# KiCad board scanhead_pcb.kicad_pcb (continued)
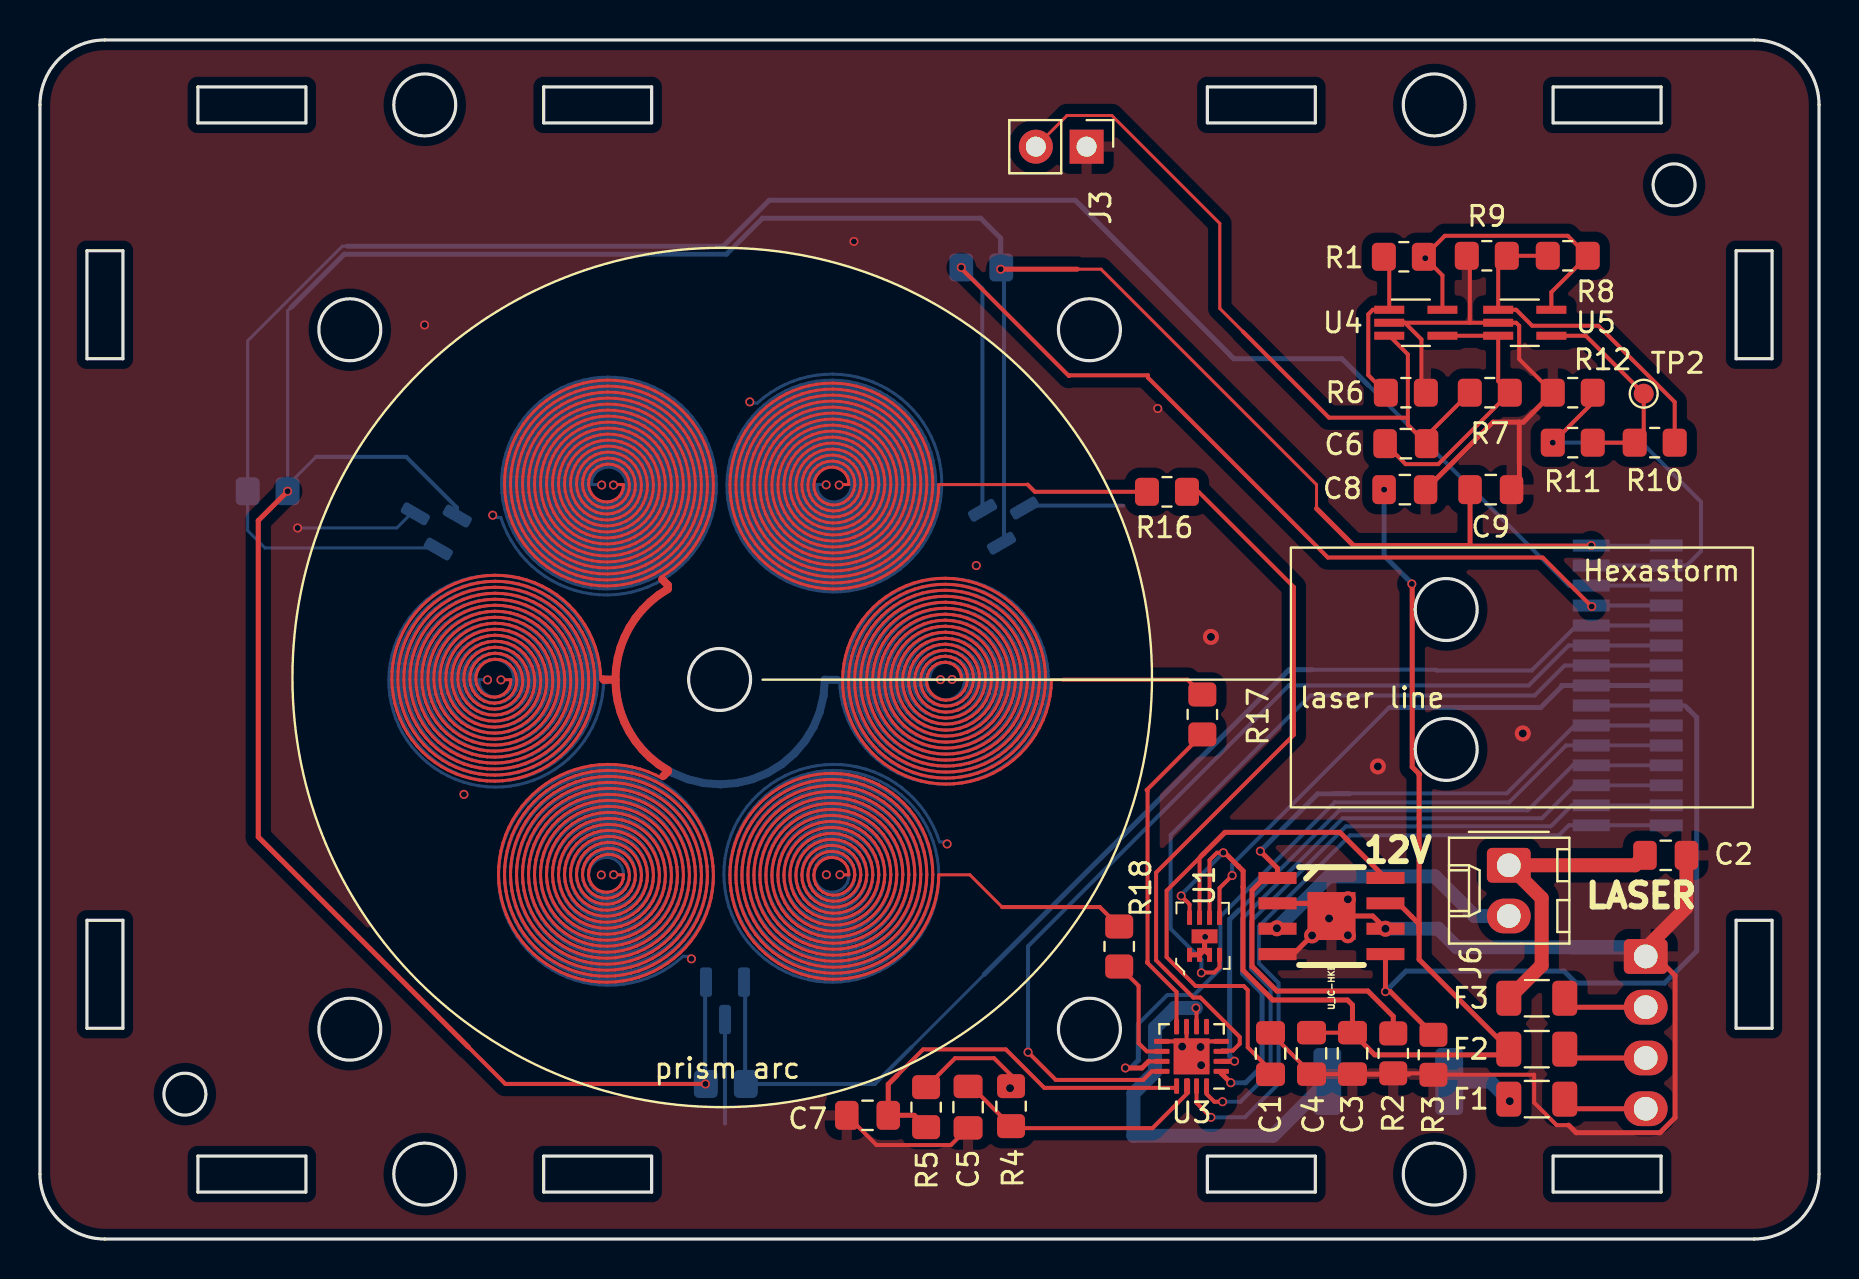
[diagram p0: board, top side]
## Routing (per net, layer and track width the routed paths; a pad name or vN(x,y) marks a point on that pad's centre or on a via; arc(x,y) is an arc through that point) (continued)
39.1,38.93 39.37,39.04 39.66,39.08 39.96,39.06 40.25,38.97 40.51,38.81 40.73,38.61 40.91,38.35 41.02,38.06 41.06,37.75 41.05,37.48 40.98,37.21 40.85,36.96 40.68,36.74 40.47,36.55 40.22,36.41 39.95,36.32 39.66,36.28 39.37,36.3 39.09,36.37 38.83,36.5 38.59,36.68 38.4,36.91 38.25,37.17 38.15,37.45 38.11,37.75 38.14,38.06 38.22,38.35 38.35,38.63 38.54,38.88 38.78,39.08 39.05,39.24 39.35,39.34 39.66,39.38 39.98,39.36 40.29,39.27 40.58,39.13 40.84,38.93 41.05,38.68 41.22,38.4 41.32,38.08 41.36,37.75 41.35,37.46 41.28,37.17 41.16,36.89 40.99,36.64 40.78,36.42 40.54,36.24 40.27,36.1 39.97,36.01 39.66,35.98 39.35,36 39.05,36.07 38.76,36.19 38.5,36.37 38.27,36.59 38.08,36.84 37.94,37.13 37.85,37.43 37.81,37.75 37.83,38.08 37.91,38.39 38.04,38.69 38.22,38.96 38.45,39.2 38.71,39.4 39.01,39.55 39.33,39.64 39.66,39.68 40,39.66 40.33,39.58 40.64,39.44 40.92,39.25 41.17,39.02 41.37,38.74 41.53,38.43 41.63,38.1 41.66,37.75 41.65,37.44 41.58,37.13 41.47,36.84 41.31,36.56 41.11,36.31 40.87,36.1 40.6,35.92 40.3,35.79 39.99,35.71 39.66,35.68 39.34,35.7 39.02,35.77 38.71,35.88 38.43,36.05 38.17,36.26 37.95,36.51 37.77,36.79 37.63,37.09 37.55,37.42 37.51,37.75 37.53,38.09 37.61,38.42 37.73,38.74 37.9,39.04 38.12,39.3 38.37,39.53 38.66,39.72 38.98,39.86 39.32,39.94 39.66,39.98 40.01,39.96 40.36,39.88 40.68,39.76 40.99,39.58 41.26,39.35 41.5,39.09 41.69,38.79 41.84,38.46 41.93,38.11 41.96,37.75 41.95,37.43 41.88,37.1 41.78,36.79 41.62,36.5 41.43,36.23 41.2,35.98 40.93,35.78 40.64,35.61 40.33,35.49 40,35.41 39.66,35.38 39.33,35.4 38.99,35.46 38.67,35.57 38.37,35.73 38.09,35.93 37.84,36.17 37.63,36.44 37.45,36.74 37.33,37.07 37.25,37.41 37.21,37.75 37.23,38.1 37.3,38.45 37.42,38.78 37.58,39.09 37.79,39.38 38.03,39.64 38.31,39.85 38.62,40.03 38.96,40.16 39.31,40.25 39.66,40.28 40.02,40.26 40.38,40.19 40.72,40.07 41.04,39.9 41.34,39.69 41.6,39.43 41.83,39.14 42.01,38.83 42.15,38.48 42.23,38.12 42.26,37.75 42.25,37.41 42.19,37.08 42.08,36.75 41.94,36.44 41.75,36.15 41.53,35.89 41.27,35.66 40.99,35.46 40.68,35.3 40.35,35.18 40.01,35.11 39.66,35.08 39.31,35.1 38.97,35.16 38.63,35.27 38.31,35.42 38.02,35.61 37.75,35.84 37.51,36.1 37.3,36.39 37.14,36.71 37.02,37.05 36.94,37.4 36.91,37.75 36.93,38.11 37,38.47 37.11,38.81 37.26,39.14 37.46,39.45 37.69,39.72 37.96,39.97 38.26,40.18 38.59,40.35 38.94,40.47 39.3,40.55 39.66,40.58 40.03,40.56 40.4,40.49 40.75,40.38 41.09,40.22 41.4,40.02 41.69,39.78 41.94,39.5 42.15,39.19 42.33,38.86 42.45,38.5 42.53,38.13 42.56,37.75 42.55,37.4 42.49,37.06 42.39,36.72 42.25,36.4 42.07,36.09 41.86,35.81 41.61,35.55 41.34,35.33 41.04,35.14 40.71,34.99 40.37,34.88 40.02,34.81 39.66,34.78 39.31,34.79 38.95,34.85 38.6,34.96 38.27,35.1 37.96,35.28 37.67,35.5 37.41,35.75 37.18,36.04 36.98,36.35 36.83,36.68 36.71,37.03 36.64,37.39 36.61,37.75 36.63,38.12 36.69,38.49 36.8,38.84 36.94,39.18 37.13,39.5 37.36,39.8 37.62,40.07 37.91,40.3 38.22,40.5 38.56,40.66 38.92,40.78 39.29,40.85 39.66,40.88 40.04,40.86 40.42,40.8 40.78,40.69 41.13,40.54 41.46,40.35 41.76,40.12 42.03,39.85 42.27,39.56 42.48,39.23 42.64,38.88 42.76,38.52 42.84,38.14 42.86,37.75 42.85,37.39 42.79,37.04 42.7,36.69 42.57,36.36 42.4,36.04 42.19,35.74 41.95,35.46 41.69,35.22 41.39,35 41.08,34.82 40.74,34.68 40.39,34.57 40.03,34.5 39.66,34.48 39.3,34.49 38.93,34.55 38.58,34.65 38.23,34.78 37.91,34.96 37.6,35.17 37.32,35.41 37.07,35.69 36.85,35.99 36.67,36.31 36.52,36.65 36.41,37.01 36.34,37.38 36.31,37.75 36.33,38.13 36.39,38.5 36.49,38.87 36.63,39.22 36.81,39.55 37.02,39.86 37.27,40.15 37.55,40.41 37.86,40.63 38.19,40.82 38.54,40.97 38.9,41.08 39.28,41.15 39.66,41.18 40.05,41.16 40.43,41.1 40.8,41 41.16,40.86 41.5,40.68 41.82,40.46 42.11,40.2 42.38,39.92 42.61,39.6 42.8,39.26 42.95,38.9 43.07,38.53 43.14,38.15 43.16,37.75 43.15,37.39 43.1,37.02 43.01,36.67 42.88,36.32 42.72,35.99 42.52,35.68 42.29,35.39 42.03,35.12 41.75,34.89 41.44,34.68 41.11,34.51 40.76,34.37 40.41,34.27 40.04,34.2 39.66,34.18 39.29,34.19 38.92,34.25 38.56,34.34 38.2,34.47 37.86,34.64 37.55,34.84 37.25,35.07 36.98,35.33 36.74,35.63 36.53,35.94 36.35,36.28 36.21,36.63 36.1,37 36.04,37.37 36.01,37.75 36.03,38.14 36.08,38.51 36.18,38.89 36.31,39.25 36.48,39.59 36.69,39.92 36.93,40.22 37.2,40.5 37.49,40.74 37.81,40.96 38.16,41.14 38.52,41.28 38.89,41.39 39.28,41.45 39.66,41.48 40.05,41.46 40.44,41.41 40.82,41.31 41.19,41.17 41.54,41 41.87,40.79 42.18,40.55 42.46,40.27 42.71,39.97 42.93,39.64 43.12,39.29 43.26,38.92 43.37,38.54 43.44,38.15 43.46,37.75 43.45,37.38 43.4,37.01 43.31,36.65 43.19,36.29 43.04,35.95 42.85,35.63 42.63,35.32 42.38,35.04 42.1,34.78 41.8,34.56 41.48,34.36 41.14,34.19 40.79,34.06 40.42,33.96 40.04,33.9 39.66,33.88 39.28,33.89 38.91,33.94 38.54,34.03 38.17,34.16 37.83,34.32 37.5,34.51 37.19,34.73 36.9,34.99 36.64,35.27 36.4,35.57 36.2,35.9 36.03,36.25 35.9,36.61 35.8,36.98 35.74,37.37 35.71,37.75 35.73,38.14 35.78,38.53 35.87,38.9 36,39.27 36.16,39.63 36.36,39.96 36.59,40.28 36.84,40.57 37.13,40.84 37.44,41.08 37.78,41.28 38.13,41.46 38.5,41.59 38.88,41.69 39.27,41.75 39.66,41.78 40.06,41.76 40.45,41.71 40.84,41.62 41.21,41.49 41.57,41.32 41.92,41.12 42.24,40.89 42.54,40.63 42.81,40.33 43.05,40.02 43.26,39.68 43.44,39.32 43.57,38.94 43.68,38.55 43.74,38.16 43.76,37.75 43.75,37.38 43.7,37 43.62,36.63 43.5,36.27 43.35,35.92 43.17,35.58 42.96,35.26 42.72,34.97 42.45,34.69 42.16,34.45 41.85,34.23 41.52,34.04 41.17,33.88 40.8,33.75 40.43,33.66 40.05,33.6 39.66,33.58 39.28,33.59 38.9,33.64 38.52,33.73 38.15,33.84 37.79,34 37.45,34.18 37.13,34.4 36.83,34.64 36.55,34.91 36.3,35.21 36.07,35.53 35.88,35.87 35.72,36.22 35.59,36.59 35.5,36.97 35.44,37.36 35.41,37.75 35.43,38.15 35.48,38.54 35.56,38.92 35.69,39.3 35.84,39.66 36.03,40.01 36.25,40.33 36.5,40.64 36.77,40.92 37.08,41.18 37.4,41.41 37.75,41.61 38.11,41.77 38.48,41.9 38.87,42 39.27,42.06 39.66,42.08 40.06,42.06 40.46,42.01 40.85,41.93 41.23,41.8 41.6,41.65 41.96,41.45 42.29,41.23 42.6,40.98 42.89,40.69 43.15,40.39 43.38,40.06 43.58,39.71 43.75,39.34 43.88,38.95 43.98,38.56 44.04,38.16 44.06,37.75 44.05,37.37 44.01,36.99 43.93,36.61 43.81,36.24 43.67,35.89 43.5,35.54 43.29,35.21 43.06,34.9 42.8,34.62 42.52,34.35 42.21,34.11 41.89,33.9 41.55,33.72 41.19,33.56 40.82,33.44 40.44,33.35 40.05,33.3 39.66,33.28 39.27,33.29 38.89,33.34 38.5,33.42 38.13,33.53 37.76,33.68 37.41,33.86 37.08,34.06 36.77,34.3 36.47,34.56 36.2,34.85 35.96,35.16 35.75,35.49 35.56,35.84 35.4,36.2 35.28,36.58 35.19,36.97 35.14,37.36 35.11,37.75 35.13,38.15 35.18,38.55 35.26,38.93 35.37,39.32 35.52,39.69 35.7,40.04 35.91,40.38 36.15,40.7 36.42,41 36.71,41.27 37.03,41.52 37.36,41.74 37.72,41.93 38.09,42.08 38.47,42.21 38.86,42.3 39.26,42.36 39.66,42.38 40.07,42.37 40.47,42.32 40.86,42.23 41.25,42.12 41.63,41.96 41.99,41.78 42.33,41.57 42.66,41.32 42.96,41.05 43.24,40.75 43.49,40.43 43.71,40.09 43.91,39.73 44.07,39.36 44.19,38.97 44.28,38.57 44.34,38.16 44.36,37.75 44.35,37.37 44.31,36.98 44.23,36.6 44.12,36.22 43.99,35.86 43.82,35.51 43.62,35.17 43.4,34.85 43.15,34.55 42.87,34.27 42.58,34.01 42.26,33.78 41.93,33.58 41.57,33.4 41.21,33.25 40.83,33.14 40.45,33.05 40.06,33 39.66,32.98 39.27,32.99 38.88,33.04 38.49,33.11 38.11,33.22 37.74,33.36 37.38,33.53 37.04,33.73 36.71,33.96 36.41,34.21 36.12,34.49 35.86,34.79 35.63,35.12 35.42,35.46 35.24,35.81 35.09,36.18 34.97,36.57 34.89,36.96 34.83,37.35 34.81,37.75 34.83,38.15 34.87,38.55 34.95,38.95 35.06,39.33 35.2,39.71 35.38,40.07 35.58,40.42 35.81,40.75 36.07,41.06 36.35,41.35 36.66,41.62 36.99,41.85 37.33,42.06 37.69,42.25 38.07,42.4 38.46,42.52 38.86,42.6 39.26,42.66 39.66,42.68 40.07,42.67 40.48,42.62 40.88,42.54 41.27,42.43 41.65,42.28 42.02,42.11 42.37,41.9 42.71,41.67 43.02,41.4 43.32,41.12 43.59,40.81 43.83,40.47 44.04,40.12 44.23,39.75 44.38,39.37 44.5,38.98 44.59,38.58 44.64,38.17 44.66,37.75 44.65,37.36 44.61,36.97 44.54,36.58 44.43,36.2 44.3,35.83 44.14,35.47 43.95,35.13 43.73,34.8 43.49,34.48 43.23,34.19 42.94,33.92 42.63,33.67 42.3,33.45 41.96,33.25 41.6,33.08 41.23,32.94 40.85,32.83 40.46,32.75 40.06,32.7 39.66,32.68 39.27,32.69 38.87,32.73 38.48,32.81 38.09,32.91 37.72,33.05 37.35,33.21 37,33.4 36.66,33.62 36.35,33.87 36.05,34.14 35.77,34.43 35.52,34.74 35.3,35.08 35.1,35.43 34.92,35.79 34.78,36.17 34.67,36.55 34.59,36.95 34.53,37.35 34.51,37.75 34.53,38.16 34.57,38.56 34.65,38.96 34.75,39.35 34.89,39.73 35.06,40.1 35.25,40.46 35.47,40.8 35.72,41.12 36,41.42 36.29,41.7 36.61,41.96 36.95,42.19 37.3,42.39 37.67,42.56 38.05,42.71 38.45,42.82 38.85,42.91 39.25,42.96 39.66,42.98 40.07,42.97 40.48,42.92 40.89,42.85 41.28,42.74 41.67,42.6 42.05,42.43 42.41,42.23 42.75,42.01 43.08,41.75 43.39,41.47 43.67,41.17 43.93,40.85 44.16,40.51 44.37,40.15 44.54,39.77 44.69,39.39 44.81,38.99 44.89,38.58 44.94,38.17 44.96,37.75 44.95,37.36 44.91,36.96 44.84,36.57 44.74,36.19 44.61,35.81 44.46,35.44 44.28,35.09 44.07,34.75 43.83,34.43 43.58,34.12 43.3,33.84 43,33.58 42.68,33.34 42.34,33.12 41.99,32.93 41.62,32.77 41.24,32.63 40.86,32.52 40.46,32.45 40.07,32.4 39.66,32.38 39.26,32.39 38.86,32.43 38.47,32.5 38.08,32.6 37.69,32.73 37.32,32.89 36.96,33.08 36.62,33.29 36.29,33.53 35.98,33.79 35.7,34.07 35.43,34.38 35.19,34.7 34.97,35.04 34.77,35.4 34.61,35.77 34.47,36.15 34.36,36.54 34.28,36.94 34.23,37.35 34.21,37.75 34.23,38.16 34.27,38.57 34.34,38.97 34.44,39.36 34.57,39.75 34.73,40.13 34.92,40.49 35.14,40.84 35.38,41.17 35.64,41.48 35.49,41.64 35.49,41.93 ; 36.99,22.86 36.65,22.64 36.33,22.4 36.03,22.14 35.75,21.85 35.5,21.55 35.26,21.23 35.05,20.89 34.87,20.53 34.71,20.17 34.59,19.79 34.49,19.41 34.42,19.02 34.38,18.62 34.36,18.22 34.38,17.81 34.44,17.4 34.52,16.99 34.64,16.59 34.79,16.2 34.96,15.83 35.17,15.47 35.4,15.13 35.66,14.8 35.94,14.5 36.25,14.23 36.58,13.97 36.92,13.75 37.28,13.55 37.66,13.38 38.05,13.24 38.44,13.13 38.85,13.06 39.25,13.01 39.66,13 40.07,13.02 40.48,13.07 40.88,13.16 41.27,13.27 41.66,13.41 42.03,13.59 42.38,13.79 42.72,14.02 43.04,14.28 43.33,14.56 43.61,14.86 43.86,15.18 44.08,15.52 44.27,15.88 44.44,16.25 44.58,16.63 44.68,17.02 44.76,17.42 44.8,17.82 44.81,18.22 44.79,18.63 44.74,19.03 44.66,19.42 44.55,19.81 44.41,20.19 44.23,20.55 44.03,20.9 43.81,21.23 43.55,21.55 43.28,21.84 42.98,22.11 42.67,22.35 42.33,22.57 41.98,22.77 41.61,22.93 41.24,23.07 40.85,23.17 40.46,23.24 40.06,23.29 39.66,23.3 39.27,23.28 38.87,23.23 38.48,23.15 38.1,23.04 37.73,22.9 37.37,22.73 37.03,22.53 36.7,22.31 36.39,22.06 36.1,21.79 35.84,21.49 35.6,21.18 35.38,20.85 35.19,20.51 35.03,20.15 34.89,19.77 34.79,19.39 34.72,19.01 34.68,18.62 34.66,18.22 34.69,17.81 34.74,17.4 34.83,17 34.95,16.61 35.1,16.22 35.29,15.86 35.5,15.51 35.74,15.17 36.01,14.86 36.3,14.58 36.62,14.31 36.96,14.08 37.31,13.87 37.68,13.7 38.06,13.55 38.45,13.44 38.85,13.36 39.26,13.31 39.66,13.3 40.07,13.32 40.47,13.37 40.87,13.46 41.26,13.58 41.63,13.73 42,13.91 42.34,14.12 42.67,14.36 42.98,14.63 43.26,14.92 43.52,15.23 43.75,15.56 43.95,15.91 44.12,16.27 44.27,16.64 44.38,17.03 44.46,17.43 44.5,17.82 44.51,18.22 44.49,18.63 44.44,19.02 44.35,19.41 44.24,19.79 44.09,20.17 43.91,20.52 43.7,20.86 43.47,21.18 43.21,21.49 42.92,21.76 42.62,22.02 42.29,22.25 41.95,22.45 41.59,22.62 41.22,22.76 40.84,22.87 40.45,22.94 40.06,22.99 39.66,23 39.27,22.98 38.88,22.93 38.5,22.84 38.12,22.73 37.75,22.58 37.4,22.4 37.07,22.2 36.75,21.97 36.45,21.71 36.18,21.43 35.93,21.13 35.71,20.81 35.51,20.47 35.34,20.12 35.2,19.76 35.1,19.38 35.02,19 34.98,18.61 34.96,18.22 34.99,17.82 35.04,17.41 35.14,17.01 35.26,16.62 35.42,16.25 35.62,15.89 35.84,15.55 36.09,15.23 36.37,14.93 36.67,14.66 36.99,14.41 37.34,14.2 37.7,14.01 38.08,13.86 38.46,13.75 38.86,13.66 39.26,13.61 39.66,13.6 40.07,13.62 40.47,13.68 40.86,13.77 41.24,13.89 41.61,14.05 41.96,14.24 42.3,14.46 42.62,14.71 42.91,14.98 43.18,15.28 43.42,15.6 43.63,15.94 43.81,16.29 43.96,16.66 44.07,17.04 44.15,17.43 44.2,17.83 44.21,18.22 44.19,18.62 44.14,19.01 44.05,19.4 43.92,19.78 43.77,20.14 43.58,20.49 43.37,20.82 43.12,21.13 42.86,21.42 42.56,21.68 42.25,21.91 41.91,22.12 41.56,22.3 41.2,22.45 40.83,22.56 40.44,22.64 40.05,22.69 39.66,22.7 39.27,22.68 38.89,22.62 38.51,22.54 38.14,22.41 37.78,22.26 37.44,22.08 37.11,21.87 36.81,21.63 36.53,21.36 36.27,21.07 36.04,20.77 35.83,20.44 35.66,20.09 35.51,19.74 35.4,19.37 35.32,18.99 35.28,18.61 35.26,18.22 35.29,17.82 35.35,17.42 35.45,17.02 35.58,16.64 35.75,16.27 35.95,15.92 36.18,15.59 36.44,15.28 36.73,15 37.04,14.75 37.37,14.53 37.73,14.33 38.1,14.18 38.48,14.05 38.87,13.96 39.27,13.91 39.66,13.9 40.06,13.92 40.46,13.98 40.84,14.08 41.22,14.21 41.58,14.37 41.93,14.57 42.25,14.8 42.55,15.05 42.83,15.34 43.08,15.65 43.3,15.97 43.49,16.32 43.64,16.68 43.76,17.06 43.85,17.44 43.9,17.83 43.91,18.22 43.89,18.62 43.83,19 43.74,19.38 43.61,19.75 43.45,20.11 43.26,20.45 43.03,20.77 42.78,21.06 42.5,21.34 42.2,21.58 41.88,21.8 41.54,21.98 41.18,22.13 40.81,22.25 40.43,22.34 40.05,22.39 39.66,22.4 39.28,22.38 38.9,22.32 38.53,22.23 38.16,22.1 37.81,21.94 37.48,21.75 37.17,21.53 36.88,21.28 36.61,21.01 36.37,20.71 36.16,20.4 35.97,20.06 35.82,19.71 35.71,19.35 35.63,18.98 35.58,18.6 35.56,18.22 35.59,17.82 35.65,17.43 35.75,17.04 35.89,16.66 36.07,16.3 36.28,15.96 36.52,15.64 36.79,15.35 37.09,15.09 37.41,14.85 37.76,14.65 38.12,14.49 38.49,14.36 38.88,14.27 39.27,14.21 39.66,14.2 40.06,14.22 40.45,14.29 40.83,14.39 41.2,14.52 41.55,14.7 41.89,14.9 42.2,15.14 42.48,15.41 42.74,15.7 42.97,16.01 43.17,16.35 43.33,16.71 43.46,17.07 43.55,17.45 43.6,17.84 43.61,18.22 43.59,18.61 43.53,18.99 43.43,19.37 43.3,19.73 43.13,20.08 42.93,20.4 42.69,20.71 42.43,20.99 42.14,21.25 41.83,21.47 41.5,21.66 41.15,21.82 40.79,21.95 40.42,22.03 40.04,22.09 39.66,22.1 39.29,22.08 38.91,22.02 38.54,21.92 38.19,21.79 37.85,21.62 37.53,21.42 37.23,21.19 36.95,20.94 36.7,20.66 36.48,20.35 36.29,20.03 36.14,19.69 36.01,19.33 35.93,18.97 35.88,18.6 35.86,18.22 35.89,17.83 35.96,17.44 36.06,17.06 36.21,16.69 36.4,16.34 36.61,16.01 36.87,15.71 37.15,15.43 37.46,15.19 37.79,14.98 38.14,14.8 38.51,14.67 38.89,14.57 39.27,14.52 39.66,14.5 40.05,14.53 40.44,14.59 40.81,14.7 41.17,14.84 41.51,15.02 41.84,15.24 42.13,15.48 42.4,15.76 42.64,16.06 42.85,16.39 43.02,16.73 43.15,17.09 43.24,17.46 43.3,17.84 43.31,18.22 43.29,18.61 43.22,18.98 43.12,19.35 42.98,19.7 42.8,20.04 42.59,20.35 42.35,20.64 42.08,20.91 41.78,21.14 41.46,21.34 41.13,21.51 40.77,21.64 40.41,21.73 40.04,21.79 39.66,21.8 39.29,21.78 38.92,21.71 38.56,21.61 38.22,21.47 37.89,21.3 37.58,21.09 37.3,20.86 37.04,20.59 36.81,20.3 36.61,19.99 36.45,19.66 36.32,19.31 36.23,18.95 36.18,18.59 36.16,18.22 36.19,17.83 36.26,17.45 36.38,17.07 36.53,16.72 36.72,16.38 36.95,16.06 37.22,15.78 37.51,15.52 37.83,15.3 38.17,15.12 38.53,14.98 38.9,14.88 39.28,14.82 39.66,14.8 40.05,14.83 40.42,14.9 40.79,15.01 41.14,15.16 41.47,15.35 41.78,15.57 42.06,15.83 42.31,16.12 42.52,16.43 42.7,16.76 42.84,17.11 42.94,17.48 43,17.85 43.01,18.22 42.99,18.6 42.92,18.97 42.81,19.33 42.66,19.67 42.48,19.99 42.26,20.29 42.01,20.57 41.73,20.81 41.42,21.02 41.09,21.19 40.75,21.33 40.4,21.43 40.03,21.48 39.66,21.5 39.3,21.47 38.94,21.41 38.59,21.3 38.25,21.16 37.94,20.98 37.64,20.76 37.38,20.51 37.14,20.24 36.93,19.94 36.76,19.62 36.63,19.29 36.53,18.94 36.48,18.58 36.46,18.22 36.49,17.84 36.57,17.46 36.69,17.1 36.85,16.75 37.05,16.42 37.3,16.13 37.57,15.86 37.87,15.63 38.2,15.44 38.55,15.29 38.91,15.18 39.29,15.12 39.66,15.1 40.04,15.13 40.41,15.2 40.77,15.32 41.11,15.48 41.42,15.68 41.71,15.91 41.97,16.18 42.2,16.48 42.39,16.8 42.53,17.14 42.64,17.49 42.7,17.86 42.71,18.22 42.69,18.59 42.61,18.95 42.5,19.3 42.34,19.63 42.15,19.94 41.92,20.22 41.66,20.48 41.37,20.7 41.06,20.88 40.73,21.02 40.38,21.12 40.02,21.18 39.66,21.2 39.31,21.17 38.96,21.1 38.62,20.99 38.29,20.84 37.99,20.65 37.71,20.43 37.47,20.17 37.25,19.89 37.08,19.58 36.94,19.26 36.84,18.92 36.78,18.58 36.76,18.22 36.8,17.85 36.88,17.48 37,17.12 37.17,16.79 37.39,16.48 37.64,16.2 37.93,15.96 38.24,15.76 38.58,15.6 38.93,15.48 39.29,15.42 39.66,15.4 40.03,15.43 40.39,15.51 40.74,15.63 41.06,15.8 41.37,16.01 41.64,16.25 41.87,16.53 42.07,16.84 42.22,17.17 42.33,17.51 42.4,17.87 42.41,18.22 42.38,18.58 42.31,18.93 42.19,19.27 42.02,19.59 41.82,19.88 41.58,20.14 41.31,20.37 41.01,20.56 40.7,20.71 40.36,20.82 40.01,20.88 39.66,20.9 39.32,20.87 38.98,20.8 38.65,20.68 38.34,20.52 38.06,20.32 37.8,20.09 37.58,19.83 37.39,19.54 37.25,19.23 37.14,18.9 37.08,18.57 37.06,18.22 37.1,17.86 37.18,17.5 37.32,17.15 37.5,16.83 37.73,16.54 37.99,16.29 38.28,16.08 38.61,15.91 38.95,15.79 39.3,15.72 39.66,15.7 40.02,15.73 40.37,15.82 40.7,15.95 41.01,16.12 41.3,16.34 41.54,16.6 41.75,16.89 41.91,17.2 42.03,17.53 42.1,17.88 42.11,18.22 42.08,18.57 42,18.91 41.87,19.23 41.7,19.53 41.49,19.81 41.24,20.05 40.96,20.25 40.66,20.4 40.34,20.52 40,20.58 39.66,20.6 39.33,20.57 39,20.49 38.69,20.37 38.4,20.2 38.13,19.99 37.9,19.75 37.71,19.48 37.55,19.19 37.44,18.88 37.38,18.55 37.36,18.22 37.4,17.87 37.49,17.52 37.64,17.19 37.83,16.89 38.06,16.63 38.34,16.4 38.64,16.22 38.97,16.09 39.32,16.02 39.66,16 40.01,16.03 40.35,16.12 40.66,16.26 40.95,16.45 41.21,16.68 41.43,16.94 41.6,17.24 41.72,17.56 41.8,17.89 41.81,18.22 41.78,18.56 41.69,18.88 41.56,19.19 41.38,19.47 41.16,19.72 40.9,19.93 40.62,20.09 40.31,20.21 39.99,20.28 39.66,20.3 39.34,20.27 39.03,20.18 38.73,20.05 38.46,19.88 38.22,19.67 38.02,19.42 37.86,19.14 37.75,18.85 37.68,18.54 37.66,18.22 37.7,17.88 37.8,17.55 37.95,17.24 38.16,16.96 38.41,16.72 38.69,16.54 39,16.4 39.33,16.32 39.66,16.3 40,16.34 40.32,16.43 40.61,16.58 40.88,16.78 41.11,17.01 41.29,17.29 41.42,17.59 41.49,17.9 41.51,18.22 41.48,18.54 41.39,18.85 41.24,19.14 41.06,19.39 40.83,19.61 40.56,19.78 40.28,19.91 39.97,19.98 39.66,20 39.36,19.96 39.06,19.88 38.79,19.74 38.54,19.56 38.34,19.34 38.17,19.09 38.05,18.81 37.98,18.52 37.96,18.22 38.01,17.9 38.11,17.58 38.27,17.3 38.49,17.05 38.75,16.85 39.04,16.71 39.35,16.62 39.66,16.6 39.98,16.64 40.28,16.74 40.55,16.9 40.79,17.1 40.98,17.35 41.11,17.62 41.19,17.92 41.21,18.22 41.18,18.53 41.08,18.81 40.93,19.07 40.73,19.29 40.5,19.47 40.24,19.6 39.95,19.68 39.66,19.7 39.38,19.66 39.11,19.57 38.86,19.43 38.65,19.24 38.48,19.02 38.35,18.77 38.28,18.5 38.26,18.22 38.31,17.92 38.42,17.63 38.6,17.37 38.82,17.16 39.08,17.01 39.37,16.92 39.66,16.9 39.96,16.94 40.23,17.05 40.47,17.21 40.67,17.43 40.81,17.67 40.89,17.94 40.91,18.22 40.87,18.5 40.77,18.76 40.62,18.98 40.42,19.17 40.18,19.3 39.93,19.38 39.66,19.4 39.41,19.36 39.16,19.26 38.95,19.12 38.78,18.93 38.65,18.71 38.58,18.47 38.56,18.22 38.61,17.94 38.73,17.69 38.91,17.47 39.14,17.32 39.4,17.22 39.66,17.2 39.93,17.25 40.16,17.36 40.36,17.53 40.51,17.74 40.59,17.98 40.61,18.22 40.57,18.47 40.47,18.69 40.31,18.87 40.11,19 39.89,19.08 39.66,19.1 39.44,19.06 39.24,18.96 39.07,18.82 38.95,18.64 38.88,18.44 38.86,18.22 39.31,18.22 ; 22.4,27.99 21.95,27.99 21.97,28.2 22.04,28.4 22.16,28.58 22.33,28.73 22.53,28.82 22.75,28.86 22.98,28.85 23.2,28.77 23.4,28.63 23.55,28.45 23.66,28.23 23.7,27.99 23.68,27.74 23.6,27.5 23.45,27.29 23.25,27.12 23.01,27.01 22.75,26.96 22.48,26.99 22.23,27.08 22,27.24 21.82,27.45 21.7,27.71 21.65,27.99 21.67,28.24 21.74,28.48 21.87,28.7 22.04,28.88 22.25,29.03 22.49,29.12 22.75,29.16 23.02,29.15 23.27,29.07 23.5,28.93 23.7,28.75 23.86,28.52 23.96,28.27 24,27.99 23.98,27.71 23.9,27.44 23.75,27.19 23.56,26.98 23.32,26.81 23.04,26.71 22.75,26.66 22.45,26.69 22.17,26.78 21.91,26.93 21.68,27.14 21.51,27.39 21.4,27.68 21.35,27.99 21.37,28.26 21.44,28.53 21.56,28.78 21.74,29.01 21.95,29.19 22.19,29.33 22.47,29.43 22.75,29.46 23.04,29.45 23.32,29.37 23.59,29.24 23.82,29.06 24.02,28.83 24.17,28.58 24.26,28.29 24.3,27.99 24.28,27.69 24.2,27.39 24.06,27.11 23.87,26.87 23.64,26.66 23.37,26.51 23.07,26.4 22.75,26.36 22.43,26.39 22.12,26.47 21.83,26.61 21.58,26.81 21.36,27.06 21.2,27.35 21.09,27.66 21.05,27.99 21.07,28.29 21.14,28.58 21.26,28.85 21.42,29.1 21.63,29.32 21.88,29.5 22.15,29.64 22.45,29.73 22.75,29.76 23.06,29.75 23.36,29.67 23.65,29.55 23.91,29.37 24.14,29.16 24.33,28.9 24.47,28.62 24.57,28.31 24.6,27.99 24.58,27.67 24.51,27.35 24.38,27.05 24.19,26.78 23.97,26.54 23.7,26.34 23.4,26.2 23.08,26.1 22.75,26.06 22.42,26.09 